# KiCad board PiEEG.kicad_pcb (continued)
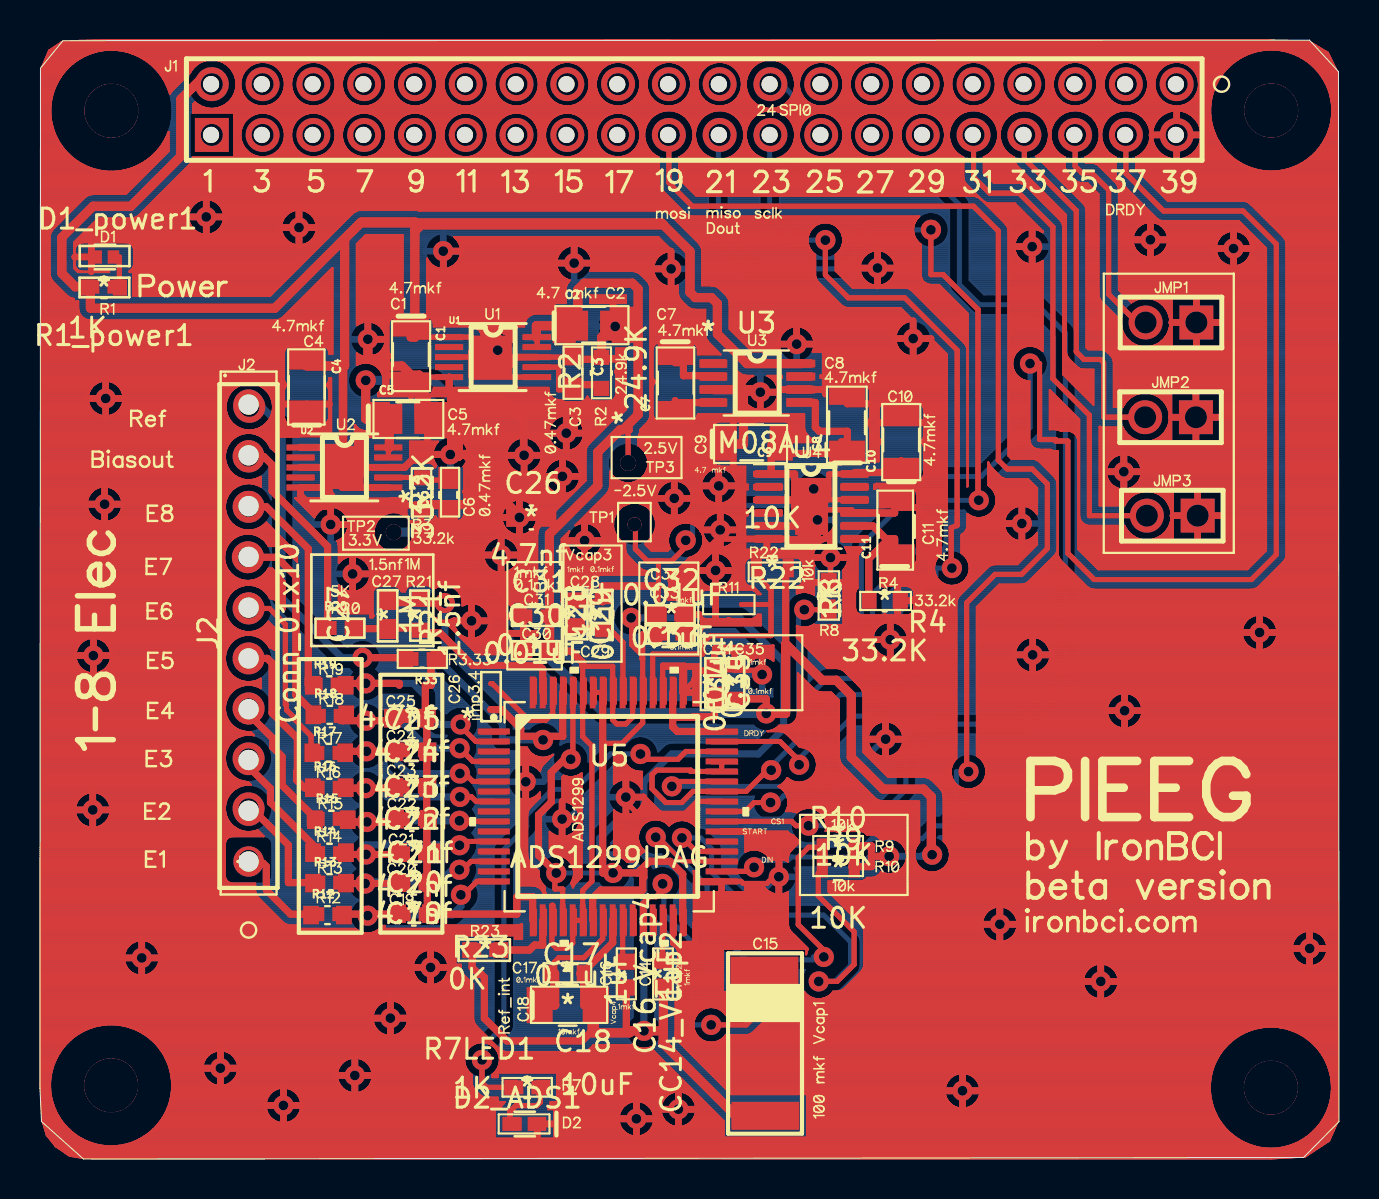
[diagram p0: board, top side]
## Routing (per net, layer and track width the routed paths; a pad name or vN(x,y) marks a point on that pad's centre or on a via; arc(x,y) is an arc through that point) (continued)
16.38,28.77 ; 16.41,28.83 16.44,28.89 ; 16.41,28.83 16.44,28.89 ; 16.38,28.77 16.33,28.72 ; 16.38,28.77 16.33,28.72 ; 10.07,31.24 10.17,31.27 ; 10.07,31.24 9.98,31.21 ; 10.07,31.24 10.17,31.27 ; 10.07,31.24 9.98,31.21 ; 10.17,31.27 10.27,31.28 ; 10.17,31.27 10.27,31.28 ; 30.38,43.93 30.41,43.89 ; 30.38,43.93 30.35,43.96 ; 30.38,43.93 30.41,43.89 ; 30.38,43.93 30.35,43.96 ; 30.41,43.89 30.44,43.85 ; 30.41,43.89 30.44,43.85 ; 18.64,31.88 18.6,31.89 ; 18.64,31.88 18.6,31.89 ; 18.64,31.88 18.68,31.88 ; 18.64,31.88 18.68,31.88 ; 18.6,31.89 18.56,31.9 ; 18.6,31.89 18.56,31.9 ; 45.38,2.95 45.34,3.02 ; 45.38,2.95 45.42,2.9 ; 45.38,2.95 45.42,2.9 ; 45.38,2.95 45.34,3.02 ; 45.34,3.02 45.32,3.08 ; 45.34,3.02 45.32,3.08 ; 55.91,42.93 55.99,42.87 ; 55.91,42.93 55.99,42.87 ; 55.91,42.93 55.82,42.97 ; 55.91,42.93 55.82,42.97 ; 55.99,42.87 56.07,42.81 ; 55.99,42.87 56.07,42.81 ; 42.48,14.25 42.43,14.26 ; 42.48,14.25 42.53,14.26 ; 42.48,14.25 42.43,14.26 ; 42.48,14.25 42.53,14.26 ; 42.43,14.26 42.38,14.26 ; 42.43,14.26 42.38,14.26 ; 48.8,45.98 48.83,46.04 ; 48.8,45.98 48.83,46.04 ; 48.83,46.04 48.86,46.1 ; 48.83,46.04 48.86,46.1 ; 55.35,33.42 55.45,33.42 ; 55.35,33.42 55.25,33.42 ; 55.35,33.42 55.25,33.42 ; 55.35,33.42 55.45,33.42 ; 55.45,33.42 55.55,33.41 ; 55.45,33.42 55.55,33.41 ; 15.11,51.38 15.13,51.48 ; 15.11,51.38 15.1,51.28 ; 15.11,51.38 15.1,51.28 ; 15.11,51.38 15.13,51.48 ; 15.13,51.48 15.16,51.58 ; 15.13,51.48 15.16,51.58 ; 12.94,11.69 12.53,11.69 ; 12.94,11.69 12.53,11.69 ; 12.94,11.69 12.94,11.52 ; 12.94,11.69 12.94,11.52 ; 12.53,11.69 12.49,11.69 ; 12.53,11.69 12.49,11.69 ; 61.77,26.8 61.8,26.74 ; 61.77,26.8 61.8,26.74 ; 9.76,54.17 9.79,54.07 ; 9.76,54.17 9.73,54.26 ; 9.76,54.17 9.73,54.26 ; 9.76,54.17 9.79,54.07 ; 9.79,54.07 9.81,53.98 ; 9.79,54.07 9.81,53.98 ; 64.47,2.64 64.42,2.49 ; 64.47,2.64 64.52,2.78 ; 64.47,2.64 64.52,2.78 ; 64.47,2.64 64.42,2.49 ; 64.42,2.49 64.37,2.36 ; 64.42,2.49 64.37,2.36 ; 18.1,6.36 18.04,6.32 ; 18.1,6.36 18.04,6.32 ; 51.3,36.43 51.46,36.43 ; 51.3,36.43 51.46,36.43 ; 51.3,36.43 51.07,36.43 ; 51.3,36.43 51.07,36.43 ; 51.46,36.43 51.5,36.43 ; 51.46,36.43 51.5,36.43 ; 25.01,19.41 25.01,19.41 ; 25.01,19.41 25.01,19.41 ; 56.96,52.66 57.05,52.68 ; 56.96,52.66 57.05,52.68 ; 38.97,23.36 38.93,23.37 ; 38.97,23.36 38.93,23.37 ; 38.93,23.37 38.88,23.39 ; 38.93,23.37 38.88,23.39 ; 30.31,36.78 30.03,36.49 ; 30.31,36.78 30.38,36.85 ; 30.31,36.78 30.03,36.49 ; 30.31,36.78 30.38,36.85 ; 30.03,36.49 30.02,36.4 ; 30.03,36.49 30.02,36.4 ; 19.81,28.6 19.86,28.62 ; 19.81,28.6 19.77,28.57 ; 19.81,28.6 19.86,28.62 ; 19.81,28.6 19.77,28.57 ; 19.86,28.62 19.9,28.64 ; 19.86,28.62 19.9,28.64 ; 42.52,16.04 42.57,16.03 ; 42.52,16.04 42.57,16.03 ; 49.87,30.75 49.87,31.33 ; 49.87,30.75 48.88,29.76 ; 49.87,30.75 48.88,29.76 ; 49.87,30.75 49.87,31.33 ; 49.87,31.33 49.83,31.27 ; 49.87,31.33 49.83,31.27 ; 53.37,40.39 53.44,40.33 ; 53.37,40.39 53.34,40.41 ; 53.37,40.39 53.44,40.33 ; 53.37,40.39 53.34,40.41 ; 53.44,40.33 53.56,40.2 ; 53.44,40.33 53.56,40.2 ; 27.77,29.1 27.81,29.12 ; 27.77,29.1 27.74,29.07 ; 27.77,29.1 27.81,29.12 ; 27.77,29.1 27.74,29.07 ; 64.35,10.25 64.33,10.18 ; 64.35,10.25 64.37,10.32 ; 64.35,10.25 64.37,10.32 ; 64.35,10.25 64.33,10.18 ; 64.33,10.18 64.3,10.12 ; 64.33,10.18 64.3,10.12 ; 56.52,42.05 56.53,41.95 ; 56.52,42.05 56.5,42.15 ; 56.52,42.05 56.5,42.15 ; 56.52,42.05 56.53,41.95 ; 56.53,41.95 56.54,41.85 ; 56.53,41.95 56.54,41.85 ; 35.48,54.41 35.54,54.5 ; 35.48,54.41 35.43,54.33 ; 35.48,54.41 35.43,54.33 ; 35.48,54.41 35.54,54.5 ; 35.54,54.5 35.6,54.58 ; 35.54,54.5 35.6,54.58 ; 23.32,35.29 23.33,35.36 ; 23.32,35.29 23.32,35.22 ; 23.32,35.29 23.33,35.36 ; 23.32,35.29 23.32,35.22 ; 23.33,35.36 23.35,35.42 ; 23.33,35.36 23.35,35.42 ; 30.91,52.34 30.82,52.29 ; 30.91,52.34 30.82,52.29 ; 21.59,50.16 21.49,50.14 ; 21.59,50.16 21.49,50.14 ; 15.29,54.39 15.34,54.47 ; 15.29,54.39 15.34,54.47 ; 15.29,54.39 15.23,54.3 ; 15.29,54.39 15.23,54.3 ; 15.34,54.47 15.41,54.54 ; 15.34,54.47 15.41,54.54 ; 2.48,41.96 2.43,41.96 ; 2.48,41.96 2.52,41.96 ; 2.48,41.96 2.52,41.96 ; 2.48,41.96 2.43,41.96 ; 2.43,41.96 2.38,41.97 ; 2.43,41.96 2.38,41.97 ; 35.28,29.91 35.25,29.86 ; 35.28,29.91 35.25,29.86 ; 41.14,45.05 41.18,45.11 ; 41.14,45.05 41.1,44.99 ; 41.14,45.05 41.1,44.99 ; 41.14,45.05 41.18,45.11 ; 41.18,45.11 41.22,45.16 ; 41.18,45.11 41.22,45.16 ; 41.56,45.4 41.62,45.43 ; 41.56,45.4 41.49,45.37 ; 41.56,45.4 41.49,45.37 ; 41.56,45.4 41.62,45.43 ; 41.62,45.43 41.69,45.44 ; 41.62,45.43 41.69,45.44 ; 24.94,53.62 24.92,53.53 ; 24.94,53.62 24.92,53.53 ; 24.92,53.53 24.89,53.43 ; 24.92,53.53 24.89,53.43 ; 30.68,1.73 30.65,1.66 ; 30.68,1.73 30.65,1.66 ; 30.68,1.73 30.7,1.79 ; 30.68,1.73 30.7,1.79 ; 30.65,1.66 30.62,1.6 ; 30.65,1.66 30.62,1.6 ; 30.46,36.97 30.44,36.92 ; 30.46,36.97 30.44,36.92 ; 30.44,36.92 30.41,36.88 ; 30.44,36.92 30.41,36.88 ; 23.18,50.33 23.1,50.4 ; 23.18,50.33 23.26,50.28 ; 23.18,50.33 23.1,50.4 ; 23.18,50.33 23.26,50.28 ; 35.33,54.05 35.36,54.14 ; 35.33,54.05 35.31,53.95 ; 35.33,54.05 35.31,53.95 ; 35.33,54.05 35.36,54.14 ; 35.36,54.14 35.39,54.24 ; 35.36,54.14 35.39,54.24 ; 32.94,7.34 32.98,7.37 ; 32.94,7.34 32.9,7.3 ; 32.94,7.34 32.9,7.3 ; 32.94,7.34 32.98,7.37 ; 4.16,49.45 4.01,49.42 ; 4.16,49.45 4.01,49.42 ; 9.75,29.12 9.67,29.18 ; 9.75,29.12 9.67,29.18 ; 9.75,29.12 9.83,29.07 ; 9.75,29.12 9.83,29.07 ; 9.67,29.18 9.59,29.24 ; 9.67,29.18 9.59,29.24 ; 58.92,2.05 58.85,2.18 ; 58.92,2.05 59,1.92 ; 58.92,2.05 58.85,2.18 ; 58.92,2.05 59,1.92 ; 58.85,2.18 58.78,2.32 ; 58.85,2.18 58.78,2.32 ; 53.85,8.47 53.82,8.41 ; 53.85,8.47 53.88,8.53 ; 53.85,8.47 53.82,8.41 ; 53.85,8.47 53.88,8.53 ; 53.82,8.41 53.78,8.35 ; 53.82,8.41 53.78,8.35 ; 39.88,50.46 39.81,50.4 ; 39.88,50.46 39.95,50.54 ; 39.88,50.46 39.81,50.4 ; 39.88,50.46 39.95,50.54 ; 39.81,50.4 39.73,50.33 ; 39.81,50.4 39.73,50.33 ; 9.02,54.93 9.11,54.89 ; 9.02,54.93 8.93,54.96 ; 9.02,54.93 8.93,54.96 ; 9.02,54.93 9.11,54.89 ; 9.11,54.89 9.2,54.85 ; 9.11,54.89 9.2,54.85 ; 38.4,46.07 38.4,46.12 ; 38.4,46.07 38.39,46.02 ; 38.4,46.07 38.39,46.02 ; 38.4,46.07 38.4,46.12 ; 38.4,46.12 38.41,46.17 ; 38.4,46.12 38.41,46.17 ; 17.2,51.76 17.24,51.67 ; 17.2,51.76 17.24,51.67 ; 17.2,51.76 17.15,51.85 ; 17.2,51.76 17.15,51.85 ; 17.24,51.67 17.28,51.58 ; 17.24,51.67 17.28,51.58 ; 39.65,8.33 39.62,8.29 ; 39.65,8.33 39.68,8.37 ; 39.65,8.33 39.68,8.37 ; 39.65,8.33 39.62,8.29 ; 39.62,8.29 39.58,8.26 ; 39.62,8.29 39.58,8.26 ; 21.55,38.58 19.7,38.58 ; 21.55,38.58 19.7,38.58 ; 21.55,38.58 21.55,38.6 ; 21.55,38.58 21.55,38.6 ; 19.7,38.58 19.69,38.53 ; 19.7,38.58 19.69,38.53 ; 41.52,36.43 41.51,35.2 ; 41.52,36.43 41.51,36.56 ; 41.52,36.43 41.51,35.2 ; 41.52,36.43 41.51,36.56 ; 41.51,35.2 41.51,35.14 ; 41.51,35.2 41.51,35.14 ; 36.96,52.39 37.05,52.35 ; 36.96,52.39 36.87,52.42 ; 36.96,52.39 36.87,52.42 ; 36.96,52.39 37.05,52.35 ; 37.05,52.35 37.14,52.31 ; 37.05,52.35 37.14,52.31 ; 56.37,52.77 56.46,52.73 ; 56.37,52.77 56.46,52.73 ; 14.79,51.18 14.78,51.08 ; 14.79,51.18 14.78,51.08 ; 14.79,51.18 14.79,51.28 ; 14.79,51.18 14.79,51.28 ; 14.78,51.08 14.76,50.99 ; 14.78,51.08 14.76,50.99 ; 28.81,38.2 28.79,38.14 ; 28.81,38.2 28.82,38.26 ; 28.81,38.2 28.79,38.14 ; 28.81,38.2 28.82,38.26 ; 28.79,38.14 28.76,38.09 ; 28.79,38.14 28.76,38.09 ; 20.26,31.91 20.11,31.91 ; 20.26,31.91 20.86,31.91 ; 20.26,31.91 20.11,31.91 ; 20.26,31.91 20.86,31.91 ; 20.11,31.91 20.07,31.91 ; 20.11,31.91 20.07,31.91 ; 9.66,26.65 9.59,26.71 ; 9.66,26.65 9.74,26.58 ; 9.66,26.65 9.59,26.71 ; 9.66,26.65 9.74,26.58 ; 9.59,26.71 9.52,26.79 ; 9.59,26.71 9.52,26.79 ; 43.42,25.9 43.41,25.83 ; 43.42,25.9 43.42,25.97 ; 43.42,25.9 43.42,25.97 ; 43.42,25.9 43.41,25.83 ; 43.41,25.83 43.39,25.76 ; 43.41,25.83 43.39,25.76 ; 36.27,54.98 36.37,55 ; 36.27,54.98 36.18,54.95 ; 36.27,54.98 36.37,55 ; 36.27,54.98 36.18,54.95 ; 36.37,55 36.47,55.01 ; 36.37,55 36.47,55.01 ; 26.37,44 26.31,44.03 ; 26.37,44 26.31,44.03 ; 26.37,44 26.43,43.98 ; 26.37,44 26.43,43.98 ; 26.31,44.03 26.24,44.07 ; 26.31,44.03 26.24,44.07 ; 32.49,33.52 32.52,33.45 ; 32.49,33.52 32.45,33.57 ; 32.49,33.52 32.45,33.57 ; 32.49,33.52 32.52,33.45 ; 32.52,33.45 32.55,33.39 ; 32.52,33.45 32.55,33.39 ; 38.61,8.06 38.56,8.08 ; 38.61,8.06 38.66,8.04 ; 38.61,8.06 38.66,8.04 ; 38.61,8.06 38.56,8.08 ; 38.56,8.08 38.52,8.1 ; 38.56,8.08 38.52,8.1 ; 60.59,45.62 60.59,45.55 ; 60.59,45.62 60.58,45.69 ; 60.59,45.62 60.59,45.55 ; 60.59,45.62 60.58,45.69 ; 44.38,14.37 44.33,14.38 ; 44.38,14.37 44.43,14.36 ; 44.38,14.37 44.43,14.36 ; 44.38,14.37 44.33,14.38 ; 44.33,14.38 44.28,14.4 ; 44.33,14.38 44.28,14.4 ; 22.38,26.52 22.35,26.46 ; 22.38,26.52 22.41,26.58 ; 22.38,26.52 22.41,26.58 ; 22.38,26.52 22.35,26.46 ; 22.35,26.46 22.31,26.4 ; 22.35,26.46 22.31,26.4 ; 30.59,31.09 30.38,30.88 ; 30.59,31.09 30.63,31.14 ; 30.59,31.09 30.38,30.88 ; 30.59,31.09 30.63,31.14 ; 30.38,30.88 30.33,30.84 ; 30.38,30.88 30.33,30.84 ; 19.14,10.38 19.2,10.41 ; 19.14,10.38 19.2,10.41 ; 19.14,10.38 19.08,10.35 ; 19.14,10.38 19.08,10.35 ; 19.2,10.41 19.27,10.44 ; 19.2,10.41 19.27,10.44 ; 36.01,15.44 36.06,15.42 ; 36.01,15.44 36.06,15.42 ; 36.01,15.44 35.96,15.45 ; 36.01,15.44 35.96,15.45 ; 36.06,15.42 36.1,15.4 ; 36.06,15.42 36.1,15.4 ; 54.61,36.08 54.52,36.13 ; 54.61,36.08 54.52,36.13 ; 54.61,36.08 54.69,36.03 ; 54.61,36.08 54.69,36.03 ; 54.52,36.13 54.45,36.2 ; 54.52,36.13 54.45,36.2 ; 44.26,54.88 44.35,54.87 ; 44.26,54.88 44.16,54.89 ; 44.26,54.88 44.16,54.89 ; 44.26,54.88 44.35,54.87 ; 44.35,54.87 44.45,54.85 ; 44.35,54.87 44.45,54.85 ; 41.49,38.56 41.5,38.52 ; 41.49,38.56 41.5,38.52 ; 41.5,38.52 41.51,38.48 ; 41.5,38.52 41.51,38.48 ; 16.51,52.31 16.61,52.28 ; 16.51,52.31 16.41,52.33 ; 16.51,52.31 16.41,52.33 ; 16.51,52.31 16.61,52.28 ; 42.27,52.87 42.19,52.82 ; 42.27,52.87 42.35,52.94 ; 42.27,52.87 42.19,52.82 ; 42.27,52.87 42.35,52.94 ; 42.19,52.82 42.1,52.77 ; 42.19,52.82 42.1,52.77 ; 48.44,46.51 48.44,46.47 ; 48.44,46.51 48.43,46.55 ; 48.44,46.51 48.44,46.47 ; 48.44,46.51 48.43,46.55 ; 48.44,46.47 48.44,46.38 ; 48.44,46.47 48.44,46.38 ; 27.83,54.02 27.86,54.12 ; 27.83,54.02 27.86,54.12 ; 27.83,54.02 27.81,53.92 ; 27.83,54.02 27.81,53.92 ; 27.86,54.12 27.89,54.21 ; 27.86,54.12 27.89,54.21 ; 11.19,36.06 11.26,35.99 ; 11.19,36.06 11.11,36.12 ; 11.19,36.06 11.26,35.99 ; 11.19,36.06 11.11,36.12 ; 11.26,35.99 11.33,35.92 ; 11.26,35.99 11.33,35.92 ; 24.29,36.1 24.36,36.09 ; 24.29,36.1 24.22,36.1 ; 24.29,36.1 24.36,36.09 ; 24.29,36.1 24.22,36.1 ; 24.36,36.09 24.43,36.07 ; 24.36,36.09 24.43,36.07 ; 1.36,1.57 1.26,1.68 ; 1.36,1.57 1.26,1.68 ; 1.36,1.57 1.46,1.46 ; 1.36,1.57 1.46,1.46 ; 1.26,1.68 1.16,1.79 ; 1.26,1.68 1.16,1.79 ; 17.32,53.62 17.3,53.53 ; 17.32,53.62 17.3,53.53 ; 17.32,53.62 17.33,53.72 ; 17.32,53.62 17.33,53.72 ; 25.5,16.37 25.5,15.43 ; 25.5,16.37 25.5,15.43 ; 25.5,16.37 25.53,16.33 ; 25.5,16.37 25.53,16.33 ; 25.5,15.43 25.73,15.2 ; 25.5,15.43 25.73,15.2 ; 51.42,52.41 51.51,52.44 ; 51.42,52.41 51.51,52.44 ; 51.42,52.41 51.32,52.38 ; 51.42,52.41 51.32,52.38 ; 51.51,52.44 51.61,52.46 ; 51.51,52.44 51.61,52.46 ; 6.39,51.28 6.33,51.14 ; 6.39,51.28 6.43,51.38 ; 6.39,51.28 6.43,51.38 ; 6.39,51.28 6.33,51.14 ; 6.33,51.14 6.26,51 ; 6.33,51.14 6.26,51 ; 31.68,29.42 31.64,29.41 ; 31.68,29.42 31.64,29.41 ; 31.68,29.42 31.72,29.43 ; 31.68,29.42 31.72,29.43 ; 31.64,29.41 31.55,29.41 ; 31.64,29.41 31.55,29.41 ; 45.24,50.99 45.21,50.89 ; 45.24,50.99 45.26,51.08 ; 45.24,50.99 45.26,51.08 ; 45.24,50.99 45.21,50.89 ; 45.21,50.89 45.18,50.8 ; 45.21,50.89 45.18,50.8 ; 1.87,24.79 1.91,24.73 ; 1.87,24.79 1.91,24.73 ; 45.83,52.11 45.9,52.18 ; 45.83,52.11 45.9,52.18 ; 45.9,52.18 45.98,52.24 ; 45.9,52.18 45.98,52.24 ; 50.71,30.14 49.46,28.89 ; 50.71,30.14 50.77,30.21 ; 50.71,30.14 50.77,30.21 ; 50.71,30.14 49.46,28.89 ; 49.46,28.89 49.43,28.86 ; 49.46,28.89 49.43,28.86 ; 11.42,36.93 11.36,36.85 ; 11.42,36.93 11.36,36.85 ; 11.42,36.93 11.48,37.01 ; 11.42,36.93 11.48,37.01 ; 11.36,36.85 11.29,36.78 ; 11.36,36.85 11.29,36.78 ; 41.42,36.78 41.46,36.73 ; 41.42,36.78 41.46,36.73 ; 41.42,36.78 41.38,36.82 ; 41.42,36.78 41.38,36.82 ; 41.46,36.73 41.49,36.67 ; 41.46,36.73 41.49,36.67 ; 43.33,26.38 43.35,26.32 ; 43.33,26.38 43.29,26.44 ; 43.33,26.38 43.29,26.44 ; 43.33,26.38 43.35,26.32 ; 43.35,26.32 43.38,26.25 ; 43.35,26.32 43.38,26.25 ; 29.5,2.84 29.43,2.81 ; 29.5,2.84 29.43,2.81 ; 36.99,41.02 37.01,41.08 ; 36.99,41.02 37.01,41.08 ; 36.99,41.02 36.97,40.95 ; 36.99,41.02 36.97,40.95 ; 37.01,41.08 37.04,41.15 ; 37.01,41.08 37.04,41.15 ; 59.56,5.87 59.68,5.97 ; 59.56,5.87 59.68,5.97 ; 59.56,5.87 59.45,5.77 ; 59.56,5.87 59.45,5.77 ; 59.68,5.97 59.8,6.06 ; 59.68,5.97 59.8,6.06 ; 13.48,47.32 13.54,47.28 ; 13.48,47.32 13.43,47.36 ; 13.48,47.32 13.54,47.28 ; 13.48,47.32 13.43,47.36 ; 47.42,11.07 47.37,11.12 ; 47.42,11.07 47.37,11.12 ; 47.37,11.12 47.32,11.17 ; 47.37,11.12 47.32,11.17 ; 45.64,54.12 45.67,54.21 ; 45.64,54.12 45.61,54.02 ; 45.64,54.12 45.61,54.02 ; 45.64,54.12 45.67,54.21 ; 37.54,41.61 37.61,41.63 ; 37.54,41.61 37.48,41.58 ; 37.54,41.61 37.61,41.63 ; 37.54,41.61 37.48,41.58 ; 37.61,41.63 37.67,41.65 ; 37.61,41.63 37.67,41.65 ; 32.85,40.69 32.88,40.64 ; 32.85,40.69 32.81,40.74 ; 32.85,40.69 32.88,40.64 ; 32.85,40.69 32.81,40.74 ; 32.88,40.64 32.9,40.58 ; 32.88,40.64 32.9,40.58 ; 18.29,30.55 18.24,30.52 ; 18.29,30.55 18.48,30.74 ; 18.29,30.55 18.48,30.74 ; 18.29,30.55 18.24,30.52 ; 18.24,30.52 18.19,30.49 ; 18.24,30.52 18.19,30.49 ; 63.89,1.59 63.79,1.48 ; 63.89,1.59 63.79,1.48 ; 52.34,50.14 52.29,50.11 ; 52.34,50.14 52.29,50.11 ; 52.34,50.14 52.43,50.19 ; 52.34,50.14 52.43,50.19 ; 52.29,50.11 52.29,49.88 ; 52.29,50.11 52.29,49.88 ; 2.66,33.44 2.71,33.49 ; 2.66,33.44 2.71,33.49 ; 2.66,33.44 2.61,33.4 ; 2.66,33.44 2.61,33.4 ; 47.21,50.11 47.21,49.33 ; 47.21,50.11 47.22,50.12 ; 47.21,50.11 47.21,49.33 ; 47.21,50.11 47.22,50.12 ; 47.21,49.33 47.71,48.83 ; 47.21,49.33 47.71,48.83 ; 25.04,13.52 25.07,13.49 ; 25.04,13.52 25.01,13.55 ; 25.04,13.52 25.07,13.49 ; 25.04,13.52 25.01,13.55 ; 25.07,13.49 25.1,13.45 ; 25.07,13.49 25.1,13.45 ; 28.72,54.87 28.82,54.88 ; 28.72,54.87 28.82,54.88 ; 28.82,54.88 28.92,54.89 ; 28.82,54.88 28.92,54.89 ; 42.6,50.71 42.55,50.62 ; 42.6,50.71 42.55,50.62 ; 42.6,50.71 42.64,50.8 ; 42.6,50.71 42.64,50.8 ; 42.55,50.62 42.49,50.54 ; 42.55,50.62 42.49,50.54 ; 49.13,48.81 49.16,48.79 ; 49.13,48.81 49.09,48.82 ; 49.13,48.81 49.16,48.79 ; 49.13,48.81 49.09,48.82 ; 49.16,48.79 49.2,48.78 ; 49.16,48.79 49.2,48.78 ; 48.97,32.68 49.04,32.68 ; 48.97,32.68 48.9,32.66 ; 48.97,32.68 49.04,32.68 ; 48.97,32.68 48.9,32.66 ; 49.04,32.68 49.11,32.69 ; 49.04,32.68 49.11,32.69 ; 16.64,6.99 16.64,7.06 ; 16.64,6.99 16.64,6.92 ; 16.64,6.99 16.64,6.92 ; 16.64,6.99 16.64,7.06 ; 16.64,7.06 16.64,7.13 ; 16.64,7.06 16.64,7.13 ; 53.74,52.82 53.66,52.87 ; 53.74,52.82 53.83,52.77 ; 53.74,52.82 53.66,52.87 ; 53.74,52.82 53.83,52.77 ; 15.96,30.1 16.02,30.08 ; 15.96,30.1 16.02,30.08 ; 15.96,30.1 15.89,30.13 ; 15.96,30.1 15.89,30.13 ; 50.52,25.01 50.5,24.94 ; 50.52,25.01 50.5,24.94 ; 50.52,25.01 50.53,25.07 ; 50.52,25.01 50.53,25.07 ; 50.5,24.94 50.47,24.87 ; 50.5,24.94 50.47,24.87 ; 12.24,11.77 12.2,11.8 ; 12.24,11.77 12.2,11.8 ; 12.24,11.77 12.28,11.75 ; 12.24,11.77 12.28,11.75 ; 12.2,11.8 12.17,11.82 ; 12.2,11.8 12.17,11.82 ; 8.46,48.01 8.53,48 ; 8.46,48.01 8.39,48.02 ; 8.46,48.01 8.39,48.02 ; 8.46,48.01 8.53,48 ; 8.53,48 8.6,47.98 ; 8.53,48 8.6,47.98 ; 18.1,52.87 18.02,52.94 ; 18.1,52.87 18.18,52.82 ; 18.1,52.87 18.18,52.82 ; 18.1,52.87 18.02,52.94 ; 18.02,52.94 17.95,53 ; 18.02,52.94 17.95,53 ; 26.56,30.36 26.61,30.31 ; 26.56,30.36 26.61,30.31 ; 18.27,32.19 18.31,32.15 ; 18.27,32.19 18.31,32.15 ; 18.27,32.19 18.21,32.22 ; 18.27,32.19 18.21,32.22 ; 18.31,32.15 18.36,32.1 ; 18.31,32.15 18.36,32.1 ; 0.51,3.9 0.52,4.04 ; 0.51,3.9 0.5,3.75 ; 0.51,3.9 0.5,3.75 ; 0.51,3.9 0.52,4.04 ; 0.52,4.04 0.54,4.19 ; 0.52,4.04 0.54,4.19 ; 11.45,28.15 11.5,28.07 ; 11.45,28.15 11.39,28.24 ; 11.45,28.15 11.39,28.24 ; 11.45,28.15 11.5,28.07 ; 11.5,28.07 11.5,28.05 ; 11.5,28.07 11.5,28.05 ; 28.91,15.17 28.95,15.16 ; 28.91,15.17 28.86,15.18 ; 28.91,15.17 28.95,15.16 ; 28.91,15.17 28.86,15.18 ; 28.95,15.16 29,15.14 ; 28.95,15.16 29,15.14 ; 11.04,54.88 11.14,54.89 ; 11.04,54.88 10.94,54.87 ; 11.04,54.88 11.14,54.89 ; 11.04,54.88 10.94,54.87 ; 11.14,54.89 11.24,54.88 ; 11.14,54.89 11.24,54.88 ; 50.51,36.51 50.8,36.51 ; 50.51,36.51 50.51,38.47 ; 50.51,36.51 50.51,38.47 ; 50.51,36.51 50.8,36.51 ; 50.8,36.51 50.84,36.51 ; 50.8,36.51 50.84,36.51 ; 38.55,41.32 38.59,41.27 ; 38.55,41.32 38.5,41.38 ; 38.55,41.32 38.5,41.38 ; 38.55,41.32 38.59,41.27 ; 38.59,41.27 38.63,41.21 ; 38.59,41.27 38.63,41.21 ; 53.33,8.03 53.26,8.02 ; 53.33,8.03 53.39,8.06 ; 53.33,8.03 53.39,8.06 ; 53.33,8.03 53.26,8.02 ; 53.26,8.02 53.19,8 ; 53.26,8.02 53.19,8 ; 24.31,42.01 24.34,42.05 ; 24.31,42.01 24.34,42.05 ; 24.31,42.01 24.29,41.96 ; 24.31,42.01 24.29,41.96 ; 24.34,42.05 24.37,42.08 ; 24.34,42.05 24.37,42.08 ; 53.04,36.63 53.01,36.64 ; 53.04,36.63 53.01,36.64 ; 53.04,36.63 53.08,36.61 ; 53.04,36.63 53.08,36.61 ; 53.01,36.64 53,36.61 ; 53.01,36.64 53,36.61 ; 32.98,45.8 33.01,45.77 ; 32.98,45.8 32.94,45.84 ; 32.98,45.8 33.01,45.77 ; 32.98,45.8 32.94,45.84 ; 33.01,45.77 33.03,45.73 ; 33.01,45.77 33.03,45.73 ; 19.25,8.74 19.32,8.72 ; 19.25,8.74 19.32,8.72 ; 15.77,36.71 15.75,36.72 ; 15.77,36.71 15.75,36.72 ; 15.77,36.71 15.8,36.67 ; 15.77,36.71 15.8,36.67 ; 15.75,36.72 15.75,35.6 ; 15.75,36.72 15.75,35.6 ; 9.6,23.38 9.67,23.45 ; 9.6,23.38 9.53,23.31 ; 9.6,23.38 9.67,23.45 ; 9.6,23.38 9.53,23.31 ; 9.67,23.45 9.75,23.51 ; 9.67,23.45 9.75,23.51 ; 38.52,20.42 38.56,20.39 ; 38.52,20.42 38.56,20.39 ; 38.52,20.42 38.48,20.45 ; 38.52,20.42 38.48,20.45 ; 38.56,20.39 38.6,20.36 ; 38.56,20.39 38.6,20.36 ; 37.35,50.31 37.27,50.24 ; 37.35,50.31 37.42,50.38 ; 37.35,50.31 37.42,50.38 ; 37.35,50.31 37.27,50.24 ; 37.27,50.24 37.19,50.19 ; 37.27,50.24 37.19,50.19 ; 60.23,49.72 60.1,49.79 ; 60.23,49.72 60.36,49.66 ; 60.23,49.72 60.36,49.66 ; 60.23,49.72 60.1,49.79 ; 60.1,49.79 59.97,49.87 ; 60.1,49.79 59.97,49.87 ; 27.13,37.89 27.07,37.88 ; 27.13,37.89 27.18,37.91 ; 27.13,37.89 27.18,37.91 ; 27.13,37.89 27.07,37.88 ; 27.07,37.88 27.01,37.87 ; 27.07,37.88 27.01,37.87 ; 38.44,20.48 38.48,20.45 ; 38.44,20.48 38.4,20.51 ; 38.44,20.48 38.4,20.51 ; 38.44,20.48 38.48,20.45 ; 57.43,52.33 57.5,52.29 ; 57.43,52.33 57.5,52.29 ; 57.43,52.33 57.36,52.36 ; 57.43,52.33 57.36,52.36 ; 57.5,52.29 57.56,52.24 ; 57.5,52.29 57.56,52.24 ; 48.85,40.39 48.89,40.43 ; 48.85,40.39 48.82,40.35 ; 48.85,40.39 48.82,40.35 ; 48.85,40.39 48.89,40.43 ; 48.89,40.43 48.92,40.46 ; 48.89,40.43 48.92,40.46 ; 16.51,29.44 16.52,29.37 ; 16.51,29.44 16.5,29.5 ; 16.51,29.44 16.5,29.5 ; 16.51,29.44 16.52,29.37 ; 16.52,29.37 16.53,29.3 ; 16.52,29.37 16.53,29.3 ; 16.58,40.14 16.51,40.13 ; 16.58,40.14 16.51,40.13 ; 16.51,40.13 16.44,40.12 ; 16.51,40.13 16.44,40.12 ; 26.97,31.79 27.04,31.81 ; 26.97,31.79 26.9,31.77 ; 26.97,31.79 26.9,31.77 ; 26.97,31.79 27.04,31.81 ; 27.04,31.81 27.11,31.82 ; 27.04,31.81 27.11,31.82 ; 50.43,51.53 50.45,51.44 ; 50.43,51.53 50.4,51.63 ; 50.43,51.53 50.4,51.63 ; 50.43,51.53 50.45,51.44 ; 50.45,51.44 50.47,51.34 ; 50.45,51.44 50.47,51.34 ; 10.8,28.99 10.7,28.96 ; 10.8,28.99 10.89,29.03 ; 10.8,28.99 10.89,29.03 ; 10.8,28.99 10.7,28.96 ; 10.7,28.96 10.61,28.94 ; 10.7,28.96 10.61,28.94 ; 50.54,25.14 50.53,25.07 ; 50.54,25.14 50.54,25.21 ; 50.54,25.14 50.54,25.21 ; 50.54,25.14 50.53,25.07 ; 24.49,52.13 24.57,52.07 ; 24.49,52.13 24.41,52.19 ; 24.49,52.13 24.41,52.19 ; 24.49,52.13 24.57,52.07 ; 24.57,52.07 24.64,52 ; 24.57,52.07 24.64,52 ; 63.19,6.16 63.06,6.23 ; 63.19,6.16 63.06,6.23 ; 55.53,45.1 55.46,45.1 ; 55.53,45.1 55.6,45.1 ; 55.53,45.1 55.6,45.1 ; 55.53,45.1 55.46,45.1 ; 55.46,45.1 55.39,45.11 ; 55.46,45.1 55.39,45.11 ; 38.3,36.32 38.28,36.36 ; 38.3,36.32 38.33,36.28 ; 38.3,36.32 38.28,36.36 ; 38.3,36.32 38.33,36.28 ; 38.28,36.36 38.26,36.4 ; 38.28,36.36 38.26,36.4 ; 32.93,30.32 32.89,30.29 ; 32.93,30.32 32.96,30.36 ; 32.93,30.32 32.89,30.29 ; 32.93,30.32 32.96,30.36 ; 32.89,30.29 32.85,30.26 ; 32.89,30.29 32.85,30.26 ; 16.13,28.53 16.07,28.49 ; 16.13,28.53 16.07,28.49 ; 16.13,28.53 16.19,28.57 ; 16.13,28.53 16.19,28.57 ; 16.07,28.49 